# Altium PCB PLD.PcbDoc (part 3 of 4)
Units mm, origin at the board's own origin, x right, y up, seen from the top; angles counter-clockwise.
Board outline 90.25 x 94.44 mm, 6 copper layers (Top, GND, Signal Layer 1, Power, Signal2, Bottom), stack 1.297 mm thick; 370 components, 248 nets, 1284 pads, 698 vias.
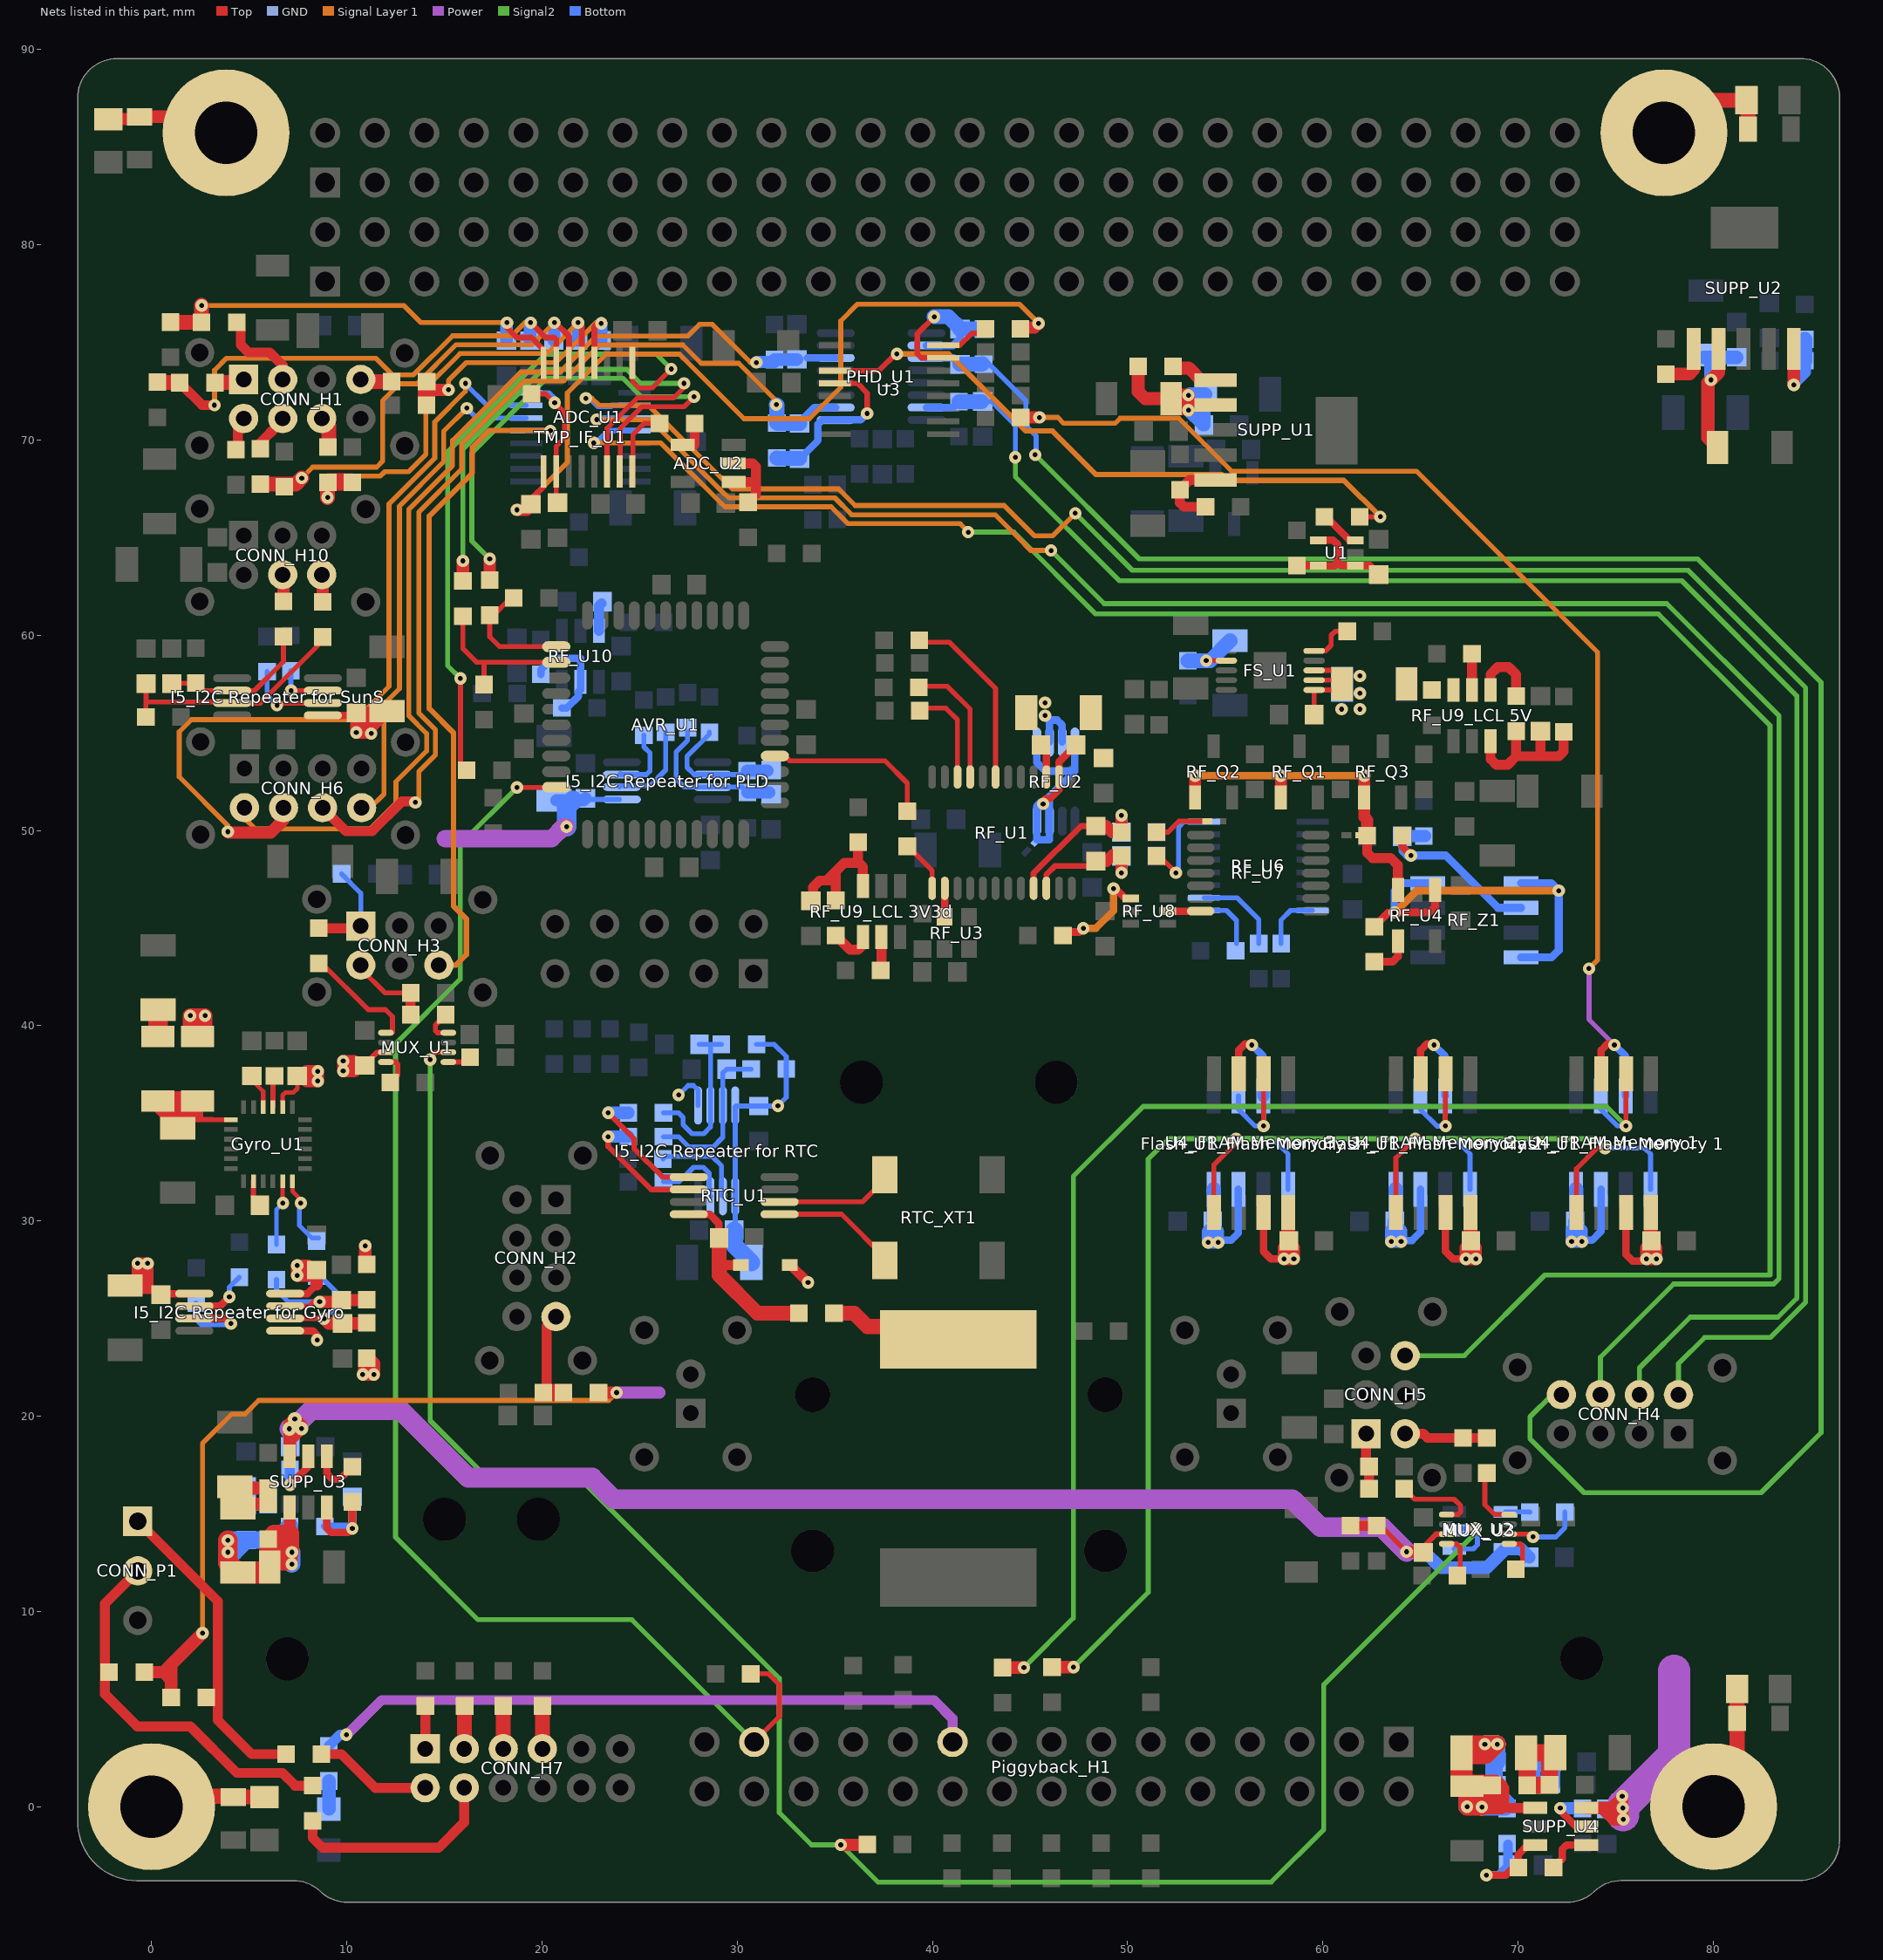
[diagram p7: the nets of this part, all layers, seen from the top]

## Via types
v1: diameter 0.635, hole 0.25, Top to Bottom, 695 vias
v2: diameter 0.7, hole 0.25, Top to Bottom, 3 vias

## Nets (pads, with @x,y where several pads share a name; then routed paths per layer and width w, separated by ;. In a path a pad name is that pad's centre, name@x,y a point inside that pad or via, vN(x,y) a via of type N, cw(c..) or ccw(c..) an arc to the next point about the centre after c; other vN are vias at no path point) (continued)
IN_A: CONN_H6.7 PHD_C1.1 PHD_R3.1 PHD_U1.2 | length 49.9
  Top w0.508: CONN_H6.7@8.756,51.165 9.963,49.958 11.294,49.958 12.823,51.486 13.458,51.486 v1(13.509,51.436)
  Signal Layer 1 w0.254: v1(13.509,51.436) 13.687,51.613 13.687,53.021 14.543,53.878 14.543,55.152 13.687,56.009 13.687,66.31 15.873,68.496 15.873,69.789 19.11,73.026 21.113,73.026 22.955,74.867 27.212,74.867 28.152,73.927 30.071,73.927 32,71.998 v1(32,71.806)
  Bottom w0.381: PHD_C1.1@33.152,70.873 33.941,71.663 PHD_U1.2@35.044,71.663
  Bottom w0.762: v1(32,71.806) 32.029,71.777 PHD_R3.1@32.029,70.873 32.054,70.848 PHD_C1.1@33.193,70.848
IN_B: CONN_H4.8 PHD_C2.1 PHD_R2.1 PHD_U1.11 | length 113.1
  Signal2 w0.254: v1(45.259,69.241) 50.593,63.907 79.193,63.907 85.518,57.582 85.518,19.152 82.444,16.079 73.377,16.079 70.608,18.847 70.608,19.965 71.744,21.101 CONN_H4.8@72.214,21.101
  Bottom w0.254: PHD_R2.1@42.569,73.899 42.886,73.899 44.789,71.997 44.789,70.727 45.31,70.206 45.31,69.292 v1(45.259,69.241)
  Bottom w0.381: PHD_U1.11@39.694,74.203 41.078,74.203 PHD_C2.1@41.406,73.874
  Bottom w0.762: PHD_C2.1@41.406,73.874 42.544,73.874 PHD_R2.1@42.569,73.899
IN_C: CONN_H6.5 PHD_C3.1 PHD_R4.1 PHD_U1.6 | length 52.1
  Signal Layer 1 w0.254: CONN_H6.5@4.756,51.165 4.756,50.638 5.309,50.085 11.203,50.085 12.518,51.4 12.518,52.5 14.086,54.068 14.086,54.962 13.179,55.87 13.179,66.448 15.416,68.685 15.416,69.978 18.921,73.483 20.924,73.483 22.766,75.324 27.466,75.324 28.063,75.921 28.725,75.921 30.681,73.965 v1(30.984,73.965)
  Bottom w0.381: 33.588,74.203 PHD_U1.6@35.044,74.203
  Bottom w0.635: v1@31.009,73.991 31.907,73.991 PHD_R4.1@31.907,74.114 33.039,74.114 PHD_C3.1@33.053,74.128
IN_D: CONN_H4.6 PHD_C4.1 PHD_R1.1 PHD_U1.15 | length 94.3
  Signal2 w0.254: v1(44.243,69.114) 44.243,68.123 49.577,62.789 78.38,62.789 84.273,56.897 84.273,26.036 83.308,25.07 78.812,25.07 76.214,22.472 CONN_H4.6@76.214,21.101
  Bottom w0.254: PHD_C4.1@42.519,71.966 43.042,71.966 44.243,70.765 v1(44.243,69.114)
  Bottom w0.381: PHD_U1.15@39.694,71.663 41.053,71.663 PHD_R1.1@41.356,71.966
  Bottom w0.762: PHD_R1.1@41.356,71.966 PHD_C4.1@42.519,71.966
INT: AVR_U1.10 MCU_R13.1 Piggyback_H1.27 | length 70.9
  Top w0.254: v1(18.716,52.198) 20.714,52.198 AVR_U1.10@20.728,52.212 ; MCU_R13.1@30.69,6.808 31.594,6.808 32.152,6.249 32.152,4.604 Piggyback_H1.27@30.864,3.316
  Signal2 w0.254: v1(18.716,52.198) 15.808,49.289 15.808,42.381 12.493,39.066 12.493,13.804 16.721,9.576 24.604,9.576 Piggyback_H1.27@30.864,3.316
JFET_CURRENT: RF_J3.1 RF_Q1.1 RF_Q2.1 RF_Q3.1 RF_R5.2 RF_U4.3 | length 18
  Top w0.508: RF_R5.2@62.266,49.734 62.266,48.856 62.531,48.591 63.471,48.591 63.842,48.219 RF_U4.3@63.842,46.947
  Top w0.61: RF_Q2.1@53.453,51.689 v1(53.453,52.807) ; RF_Q1.1@57.847,51.689 v1(57.847,52.807) ; v1(62.114,52.807) RF_Q3.1@62.114,51.689 62.114,50.684 62.266,50.532 RF_R5.2@62.266,49.734
  Signal Layer 1 w0.381: v1(53.453,52.807) v1(57.847,52.807) v1(62.114,52.807)
LMT87_SUPPLY: TMP_LMT_R2.2 U3.11 | length 32.8
  Top w0.279: U3.11@35,73.55 37.258,73.55 38.146,74.439 v1(38.181,74.404) ; TMP_LMT_R2.2@61.881,66.066 v1(62.937,66.066)
  Signal Layer 1 w0.279: v1(38.181,74.404) 40.832,74.404 44.776,70.46 46.148,70.46 48.383,68.225 54.829,68.225 55.121,67.933 61.07,67.933 v1(62.937,66.066)
MISO: ADC_R2.2 AVR_U1.1 MCU_R2.2 | length 6
  Top w0.254: MCU_R2.2@18.284,61.799 17.511,61.026 ADC_R2.2@17.319,61.026 17.319,59.92 17.827,59.412 AVR_U1.1@20.728,59.412
MISO_R: "Flash_U1_Flash Memory 1.2" "Flash_U1_Flash Memory 2.2" "Flash_U1_Flash Memory 3.2" "U4_FRAM Memory 1.2" "U4_FRAM Memory 2.2" "U4_FRAM Memory 3.2" MEM_R1.2 | length 73.2
  Top w0.254: v1(56.958,34.862) 56.958,37.54 ; v1(66.28,34.86) 66.28,37.537 ; v1(75.525,34.862) 75.525,37.54
  Top w0.635: MEM_R1.2@43.582,7.124 v1(44.686,7.124)
  Signal2 w0.254: v1(44.686,7.124) 47.215,9.653 47.215,32.286 50.792,35.863 56.998,35.863 ; v1(56.958,34.862) 56.958,35.823 56.998,35.863 ; v1(66.28,34.86) 66.28,35.852 66.269,35.863 ; v1(75.525,34.862) 74.524,35.863 66.269,35.863 ; 56.998,35.863 66.269,35.863
  Bottom w0.254: 55.673,36.404 55.673,35.715 56.526,34.862 v1(56.958,34.862) ; 64.995,35.713 65.848,34.86 v1(66.28,34.86) ; 74.24,35.715 75.093,34.862 v1(75.525,34.862)
MOSI: ADC_R1.2 AVR_U1.2 MCU_R3.2 | length 7.9
  Top w0.254: ADC_R1.2@15.947,60.975 15.947,59.31 16.645,58.612 17.065,58.612 ; MCU_R3.2@17.027,57.474 17.027,58.574 17.065,58.612 ; AVR_U1.2@20.728,58.612 17.065,58.612
MOSI_R: "Flash_U1_Flash Memory 1.5" "Flash_U1_Flash Memory 2.5" "Flash_U1_Flash Memory 3.5" "U4_FRAM Memory 1.5" "U4_FRAM Memory 2.5" "U4_FRAM Memory 3.5" MEM_R2.2 | length 79.4
  Top w0.254: 54.418,30.428 54.418,32.877 55.601,34.06 v1@55.55,34.06 ; 63.739,30.428 63.739,33.233 v1(64.719,34.212) ; 72.985,30.428 72.985,32.674 74.041,33.73 v1(74.447,33.73)
  Top w0.635: MEM_R2.2@46.122,7.149 v1(47.226,7.149)
  Signal2 w0.254: v1(47.226,7.149) 51.05,10.973 51.05,33.171 ; 51.054,33.171 52.095,34.212 v1(55.55,34.212) v1(64.719,34.212) 73.965,34.212 v1(74.447,33.73)
  Bottom w0.254: v1@55.55,34.06 55.702,34.212 57.429,34.212 58.213,33.428 58.213,31.621 ; v1(64.719,34.212) 66.752,34.212 67.535,33.428 67.535,31.621 ; v1(74.447,33.73) 76.479,33.73 76.781,33.428 76.781,31.621 ; 76.831,30.963 76.911,31.043
MSCK: AVR_U1.26 RF_R1.1 | length 8.8
  Top w0.254: AVR_U1.26@31.928,53.812 32.434,53.812 32.676,53.569 37.563,53.569 38.706,52.426 RF_R1.1@38.706,50.989
NetADC_C1_1: ADC_C1.1 ADC_U1.4 SunSref_R1.2 SunSref_R2.2 | length 15.2
  Top w0.305: ADC_U1.4@22.679,73.939 22.679,75.797 22.854,75.972 v1(23.034,75.972)
  Top w0.635: 13.991,72.391 14.089,72.488 14.169,72.568 v1(15.211,72.568)
  Top w0.889: SunSref_R2.2@14.089,71.817 14.089,72.488 SunSref_R1.2@14.089,72.985
  Signal Layer 1 w0.254: v1(15.211,72.568) 15.211,73.051 16.125,73.965 20.716,73.965 22.761,76.01 22.799,75.972 v1(23.034,75.972)
  Bottom w0.635: ADC_C1.1@23.031,75.094 23.031,75.969 v1(23.034,75.972)
NetADC_C2_1: ADC_C2.1 ADC_U1.5 SunSref_R9.2 SunSref_R10.2 | length 23.8
  Top w0.305: v1(21.843,76.008) 22.029,75.822 ADC_U1.5@22.029,73.939
  Top w0.762: v1(9.013,67.057) 9.013,67.782 SunSref_R9.2@9.074,67.843
  Top w0.889: SunSref_R9.2@9.074,67.843 SunSref_R10.2@10.217,67.843
  Signal Layer 1 w0.254: v1(9.013,67.057) 9.013,67.361 9.8,68.149 11.717,68.149 11.946,68.377 13.168,68.377 14.044,69.254 14.044,72.672 15.795,74.423 20.258,74.423 v1(21.843,76.008)
  Bottom w0.635: ADC_C2.1@21.818,75.088 21.843,75.113 v1(21.843,76.008)
NetADC_C3_1: ADC_C3.1 ADC_U1.6 SunSref_R3.2 SunSref_R4.2 | length 23.6
  Top w0.305: v1(20.63,76.008) 20.676,76.008 21.379,75.306 ADC_U1.6@21.379,73.939
  Top w0.762: SunSref_R3.2@5.569,67.742 7.387,67.742 v1(7.692,68.047)
  Signal Layer 1 w0.254: v1(7.692,68.047) 8.251,68.606 11.528,68.606 11.83,68.909 11.83,72.007 12.696,72.873 13.599,72.873 15.605,74.88 19.501,74.88 v1(20.63,76.008)
  Bottom w0.635: ADC_C3.1@20.604,75.088 20.63,75.113 v1(20.63,76.008)
NetADC_C4_1: ADC_C4.1 ADC_U1.7 SunSref_R7.2 SunSref_R8.2 | length 27
  Top w0.305: v1(19.416,76.008) 20.178,75.246 20.612,75.246 20.729,75.13 ADC_U1.7@20.729,73.939
  Top w0.508: SunSref_R7.2@1.443,72.934 2.596,71.781 v1(3.222,71.781)
  Top w0.762: SunSref_R8.2@0.246,72.934 SunSref_R7.2@1.443,72.934
  Signal Layer 1 w0.254: v1(3.222,71.781) 3.222,73.576 3.827,74.181 11.49,74.181 12.34,73.33 13.409,73.33 15.416,75.337 18.448,75.337 19.119,76.008 v1(19.416,76.008)
  Bottom w0.635: ADC_C4.1@19.391,75.088 19.391,75.983 v1(19.416,76.008)
NetADC_C6_1: ADC_C6.1 ADC_U1.8 SunSref_R5.2 SunSref_R6.2 | length 22.3
  Top w0.305: v1(18.203,76.008) 18.203,75.739 18.695,75.246 19.46,75.246 20.079,74.627 ADC_U1.8@20.079,73.939
  Top w0.762: SunSref_R6.2@1.338,76.033 SunSref_R5.2@2.561,76.033 v1(2.561,76.886)
  Signal Layer 1 w0.254: v1(2.561,76.886) 12.925,76.886 13.803,76.008 v1(18.203,76.008)
  Bottom w0.635: ADC_C6.1@18.177,75.088 18.177,75.983 v1(18.203,76.008)
NetADC_C7_1: ADC_C7.1 ADC_MUX_R1.2 ADC_U1.9 | length 42.1
  Top w0.305: ADC_C7.1@19.605,67.133 20.079,67.607 ADC_U1.9@20.079,68.389
  Top w0.635: v1(18.716,66.422) 19.213,66.422 ADC_C7.1@19.579,66.788 ; ADC_MUX_R1.2@44.517,75.623 44.517,75.754 45.219,75.754 v1(45.437,75.972)
  Signal Layer 1 w0.254: v1(18.716,66.422) 18.716,66.269 21.294,68.847 21.294,72.403 23.288,74.397 27.035,74.397 30.342,71.091 33.697,71.091 35.302,72.695 35.302,76.099 36.16,76.957 44.452,76.957 v1(45.437,75.972)
NetADC_C8_1: ADC_C8.1 ADC_U1.10 TMP_IF_U1.8 TMPI_R1.1 | length 8.8
  Top w0.254: TMPI_R1.1@19.463,72.365 20.189,72.365 v1(20.646,71.908) 21.154,71.4 21.154,70.105 20.729,69.679 ADC_U1.10@20.729,68.389 ADC_C8.1@20.729,66.658
  Bottom w0.254: TMP_IF_U1.8@19.189,72.424 20.349,72.424 20.646,72.127 v1(20.646,71.908)
NetADC_J2_2: ADC_J2.2 RF_C1.2 RF_C3.2 RF_C4.2 RF_U1.14 RF_U2.3 RF_U2.4 RF_U2.5 RF_U2.8 | length 15.2
  Top w0.381: v1(45.665,51.359) 45.792,51.486 45.792,51.613 45.995,51.613 46.482,52.1 RF_U1.14@46.482,52.736 46.482,53.507 RF_C3.2@47.357,54.382
  Bottom w0.381: RF_U2.5@45.345,54.527 45.345,53.484 45.789,53.04 47.295,53.04 ; v1@45.564,51.471 45.345,51.252 RF_U2.4@45.345,50.477 45.345,49.53 45.995,49.53 RF_U2.3@45.995,50.477 45.995,51.589 ; 45.919,51.664 47.295,53.04 ; RF_U2.8@47.295,54.527 47.295,53.04
NetADC_MUX_R1_1: ADC_MUX_R1.1 U3.8 | length 2.5
  Top w0.279: U3.8@40.55,74.85 41.397,74.85 42.01,75.463 42.557,75.463 ADC_MUX_R1.1@42.717,75.623
NetADC_R1_1: ADC_R1.1 ADC_U1.14 | length 27.3
  Top w0.254: ADC_U1.14@23.329,68.389 23.329,70.603 24.888,72.162 26.742,72.162 27.276,72.695 v1(27.276,72.899)
  Top w0.635: ADC_R1.1@15.947,62.775 v1(15.947,63.805)
  Signal2 w0.254: v1(15.947,63.805) 15.947,69.52 20.037,73.61 24.341,73.61 25.052,72.899 v1(27.276,72.899)
NetADC_R2_1: ADC_R2.1 ADC_U1.15 | length 26.9
  Top w0.254: ADC_U1.15@23.979,68.389 24.012,68.421 24.012,70.6 25.117,71.705 27.276,71.705 v1(27.784,72.213)
  Top w0.635: ADC_R2.1@17.319,62.826 v1(17.319,63.907)
  Signal2 w0.254: v1(17.319,63.907) 16.404,64.821 16.404,69.331 20.226,73.153 24.151,73.153 25.091,72.213 v1(27.784,72.213)
NetADC_R3_1: ADC_R3.1 ADC_U1.1 | length 34
  Top w0.254: v1(15.82,57.786) 15.82,53.406 ADC_R3.1@16.139,53.087 ; ADC_U1.1@24.629,73.939 24.629,72.989 24.948,72.67 25.65,72.67 v1(26.615,73.635)
  Signal2 w0.254: v1(15.82,57.786) 15.16,58.446 15.16,69.38 20.177,74.397 25.853,74.397 v1(26.615,73.635)
NetADC_R4_1: ADC_R4.1 ADC_U1.16 | length 3.5
  Top w0.254: ADC_U1.16@24.629,68.389 24.651,68.411 24.651,70.275 25.218,70.841 ADC_R4.1@26.02,70.841
NetADC_R4_2: ADC_R4.2 ADC_U2.4 | length 1.7
  Top w0.508: ADC_U2.4@27.202,69.751 27.811,69.751 27.82,69.76 ADC_R4.2@27.82,70.841
NetADC_R6_1: ADC_R6.1 ADC_U2.1 ADC_U2.2 | length 4.3
  Top w0.508: ADC_U2.1@29.822,67.851 30.941,67.851 30.959,67.869 ; ADC_U2.2@29.822,68.801 30.789,68.801 30.959,68.631 30.959,67.869 ; ADC_R6.1@30.552,66.814 30.959,67.22 30.959,67.869
NetAP_R1_1: AP_R1.1 AP_R3.2 CONN_P1.1 | length 16.7
  Top w0.508: CONN_P1.1@-0.292,15.037 CONN_P1.1@-0.709,14.62 3.387,10.524 3.387,4.433 5.127,2.693 AP_R3.2@6.894,2.693
NetAP_R2_1: AP_R2.1 AP_R4.2 CONN_P1.2 | length 19.6
  Top w0.508: CONN_P1.2@-0.709,12.08 -2.392,10.397 -2.392,5.766 -0.734,4.109 1.984,4.109 4.365,1.728 6.702,1.728 7.351,1.078 AP_R4.2@8.251,1.078
NetAP_R3_1: AP_R3.1 CONN_H7.7 | length 6
  Top w0.508: AP_R3.1@8.694,2.693 9.724,2.693 11.45,0.967 CONN_H7.7@14.014,0.967
NetAP_R4_1: AP_R4.1 CONN_H7.8 | length 11.2
  Top w0.508: AP_R4.1@8.251,-0.722 8.251,-1.6 8.759,-2.108 14.707,-2.108 16.014,-0.801 CONN_H7.8@16.014,0.967
NetAP_R5_1: AP_R5.1 CONN_H7.4 | length 2.2
  Top w0.762: CONN_H7.4@20.014,2.967 20.021,2.974 AP_R5.1@20.021,5.156
NetAP_R6_1: AP_R6.1 CONN_H7.3 | length 2.2
  Top w0.762: CONN_H7.3@18.014,2.967 AP_R6.1@18.015,5.156
NetAP_R7_1: AP_R7.1 CONN_H7.2 | length 2.2
  Top w0.762: CONN_H7.2@16.014,2.967 16.034,2.987 AP_R7.1@16.034,5.156
NetAP_R8_1: AP_R8.1 CONN_H7.1 | length 2.2
  Top w0.508: CONN_H7.1@14.014,2.967 14.027,2.98 AP_R8.1@14.027,5.156
NetCONN_C1_2: CONN_C1.2 CONN_R1.2 MNT1.1 | length 6.4
  Top w0.635: CONN_C1.2@-2.222,86.429 -0.749,86.429 CONN_R1.2@-0.624,86.554 2.986,86.554 MNT1.1@3.81,85.73
NetCONN_C2_2: CONN_C2.2 CONN_R2.2 MNT2.1 | length 6.4
  Top w0.762: MNT2.1@77.472,85.737 79.122,87.387 CONN_C2.2@81.702,87.387
  Top w0.8: CONN_C2.2@81.7,87.402 81.776,87.326 CONN_R2.2@81.776,85.929
NetCONN_C3_1: CONN_C3.1 CONN_R3.1 MNT3.1 | length 8.1
  Top w0.762: MNT3.1@0,0 0.534,0.534 CONN_R3.1@4.24,0.534 ; MNT3.1@0.142,-0.142 MNT3.1@1.65,-1.65 ; CONN_R3.1@4.101,0.501 5.599,0.501 CONN_C3.1@5.609,0.491
NetCONN_C4_1: CONN_C4.1 CONN_R4.1 MNT4.1 | length 5.7
  Top w0.762: MNT4.1@80.012,0.007 81.217,1.212 CONN_R4.1@81.217,4.522 81.217,5.233
NetCONN_H1_1: CONN_H1.1 SunSref_R7.1 | length 1.5
  Top w0.762: SunSref_R7.1@3.243,72.934 4.547,72.934 CONN_H1.1@4.714,73.101
NetCONN_H1_2: CONN_H1.2 SunSref_R5.1 | length 4.3
  Top w0.508: SunSref_R5.1@4.564,75.906 4.564,74.879 4.959,74.484 6.051,74.484 6.714,73.821 CONN_H1.2@6.714,73.101
NetCONN_H1_4: CONN_H1.4 SunSref_R1.1 | length 1.6
  Top w0.762: CONN_H1.4@10.714,73.101 10.83,72.985 SunSref_R1.1@12.289,72.985
NetCONN_H1_5: CONN_H1.5 CONN_R5.2 | length 1.7
  Top w0.508: CONN_R5.2@4.426,69.542 4.426,70.813 CONN_H1.5@4.714,71.101
NetCONN_H1_6: CONN_H1.6 SunSref_R3.1 | length 2.1
  Top w0.508: SunSref_R3.1@5.569,69.542 5.569,69.861 6.473,70.765 6.473,70.892 6.682,71.101 CONN_H1.6@6.714,71.101
NetCONN_H1_7: CONN_H1.7 SunSref_R9.1 | length 1.6
  Top w0.762: CONN_H1.7@8.714,71.101 9.074,70.741 SunSref_R9.1@9.074,69.643
NetCONN_H2_4: CONN_H2.4 LI_R1.1 LI_R2.2 | length 4.7
  Top w0.508: LI_R1.1@20.24,21.58 20.24,24.627 CONN_H2.4@20.714,25.101
  Top w0.889: LI_R1.1@20.073,21.21 LI_R2.2@21.092,21.21
NetCONN_H3_1: CONN_H3.1 MUX_R1.1 MUX_R4.2 | length 5.3
  Top w0.508: MUX_R4.2@8.556,44.995 10.608,44.995 CONN_H3.1@10.714,45.101
  Bottom w0.254: MUX_R1.1@9.739,47.778 9.739,47.764 10.714,46.788 CONN_H3.1@10.714,45.101
NetCONN_H3_4: CONN_H3.4 MUX_R2.1 MUX_R3.2 | length 4.4
  Top w0.254: CONN_H3.4@10.714,43.101 10.714,42.927 11.959,41.682 MUX_R2.1@13.269,41.682
  Top w0.508: MUX_R3.2@13.269,40.564 MUX_R2.1@13.269,41.682
NetCONN_H3_6: CONN_H3.6 TMP_IF_U1.5 | length 35.5
  Signal Layer 1 w0.279: CONN_H3.6@14.714,43.101 15.588,43.101 16.125,43.638 16.125,45.467 15.465,46.127 15.465,54.992 14.22,56.236 14.22,66.091 16.43,68.301 16.43,69.622 17.293,70.486 20.408,70.486 v1(20.424,70.469) 19.868,70.469
  Bottom w0.279: TMP_IF_U1.5@19.189,70.474 20.419,70.474 v1(20.424,70.469)
NetCONN_H4_5: CONN_H4.5 TMP_IF_U1.10 | length 113.1
  Signal2 w0.254: v1(47.316,66.244) 50.237,63.323 78.711,63.323 84.73,57.303 84.73,25.846 82.913,24.029 79.549,24.029 78.214,22.694 CONN_H4.5@78.214,21.101
  Signal Layer 1 w0.254: v1(22.246,72.137) 22.55,72.137 22.918,71.768 25.457,71.768 29.534,67.692 29.548,67.692 29.752,67.488 35.189,67.488 36.033,66.644 43.664,66.644 45.221,65.088 46.161,65.088 v1(47.316,66.244)
  Bottom w0.305: v1(22.246,72.137) 22.45,72.137 22.856,71.73 23.542,71.73 23.586,71.774 TMP_IF_U1.10@24.739,71.774
NetCONN_H4_7: CONN_H4.7 TMP_IF_U1.11 | length 110.4
  Signal2 w0.254: v1(46.072,64.339) 48.789,61.621 77.609,61.621 83.359,55.871 83.359,27.04 83.091,26.772 77.962,26.772 74.214,23.024 CONN_H4.7@74.214,21.101
  Signal Layer 1 w0.254: v1(22.805,71.044) 25.535,71.044 29.37,67.209 29.384,67.209 29.562,67.031 35,67.031 35.863,66.168 43.215,66.168 44.752,64.631 44.752,64.617 45.03,64.339 v1(46.072,64.339)
  Bottom w0.279: v1(22.805,71.044) 22.885,71.124 TMP_IF_U1.11@24.739,71.124
NetCONN_H5_1: CONN_H5.1 MUX_R7.2 MUX_R10.1 | length 3
  Top w0.508: CONN_H5.1@62.214,19.101 62.214,17.778 62.505,17.487 62.367,17.349 MUX_R10.1@62.367,16.282
NetCONN_H5_4: CONN_H5.4 MUX_R8.2 MUX_R9.1 | length 4.2
  Top w0.508: CONN_H5.4@64.214,19.101 65.147,19.101 65.365,18.884 MUX_R8.2@67.179,18.884 MUX_R9.1@68.297,18.884
NetCONN_H5_6: CONN_H5.6 TMP_IF_U1.12 | length 117.2
  Signal2 w0.254: v1(41.83,65.279) 44.167,65.279 48.358,61.088 77.187,61.088 82.902,55.373 82.902,27.229 71.37,27.229 67.242,23.101 CONN_H5.6@64.214,23.101
  Signal Layer 1 w0.254: v1(22.653,69.851) 26.082,69.851 29.181,66.752 29.195,66.752 29.373,66.574 34.81,66.574 35.674,65.71 41.423,65.71 v1@41.843,65.291
  Signal Layer 1 w0.279: v1@22.611,69.809 v1(22.653,69.851)
  Bottom w0.279: v1(22.653,69.851) 22.754,69.851 23.378,70.474 TMP_IF_U1.12@24.739,70.474
NetCONN_H6_6: CONN_H6.6 TMP_IF_U1.7 | length 42.3
  Top w0.635: v1(3.908,49.937) 3.95,49.894 6.1,49.894 6.756,50.55 CONN_H6.6@6.756,51.165
  Signal Layer 1 w0.254: v1(3.908,49.937) 3.908,50.254 1.418,52.743 1.418,55.056 2.04,55.677 10.461,55.677 12.163,57.379 12.163,66.725 14.501,69.064 14.501,70.919 16.074,72.492 v1(16.074,72.899)
  Bottom w0.254: v1@16.074,72.873 17.173,71.774 TMP_IF_U1.7@19.189,71.774
NetCONN_H6_8: CONN_H6.8 TMP_IF_U1.6 | length 26.2
  Signal Layer 1 w0.254: CONN_H6.8@10.756,51.165 11.206,51.165 11.909,51.867 11.909,56.476 12.696,57.264 12.696,66.612 14.959,68.875 14.959,70.437 v1(16.15,71.629)
  Bottom w0.254: v1(16.15,71.629) 16.655,71.124 TMP_IF_U1.6@19.189,71.124
NetCONN_H10_5: "I6_I2C Repeater for SunS.1" CONN_H10.5 | length 1.8
  Top w0.254: 6.586,61.443 6.586,61.734 ; CONN_H10.5@6.586,62.973 CONN_H10.5@6.714,63.101
  Top w0.635: CONN_H10.5@6.586,62.973 6.752,62.806 6.752,61.734
NetCONN_H10_6: "I3_I2C Repeater for SunS.1" CONN_H10.6 | length 1.4
  Top w0.635: CONN_H10.6@8.714,63.101 8.759,63.056 8.759,61.708
NetFS_U1_1: FS_U1.1 FS_U1.2 FS_U1.3 RF_C12.1 RF_C13.1 RF_FB1.1 | length 5.9
  Top w0.254: RF_C13.1@59.551,55.931 FS_U1.1@59.551,57.197 60.68,57.197 RF_FB1.1@60.982,57.5 ; FS_U1.2@59.551,57.697 60.563,57.697 60.969,58.103 60.875,58.197 FS_U1.3@59.551,58.197
  other v1: 60.956,56.211 61.896,56.211 61.896,57.024 61.896,57.913
NetFS_U1_5: FS_U1.5 RF_R12.2 | length 2.4
  Top w0.254: FS_U1.5@59.551,59.197 60.132,59.197 60.423,59.487 60.423,59.995 60.626,60.199 RF_R12.2@61.25,60.199
NetFS_U1_7: FS_U1.7 RF_C16.1 RF_R11.2 | length 3.6
  Top w0.254: v1(54.022,58.697) FS_U1.7@55.051,58.697
  Bottom w0.762: RF_R11.2@53.082,58.697 v1(54.022,58.697) 54.223,58.697 RF_C16.1@55.241,59.715
NetGyro_C1_1: Gyro_C1.1 Gyro_R1.1 | length 1.4
  Top w1.016: Gyro_R1.1@0.326,39.446 Gyro_C1.1@0.326,40.819
NetGyro_C2_1: Gyro_C2.1 Gyro_FB1.2 Gyro_R1.2 Gyro_U1.13 | length 12.7
  Top w0.254: Gyro_C2.1@0.694,35.19 1.282,35.19 1.403,35.19 2.511,35.19 ; Gyro_U1.13@4.065,35.185 3.1,35.185 3.095,35.19 2.511,35.19 ; 2.511,35.19 2.358,35.343 Gyro_FB1.2@2.358,36.146 2.511,35.993 2.511,35.19
  Top w0.635: Gyro_R1.2@0.326,36.146 Gyro_FB1.2@2.358,36.146
  Top w1.016: Gyro_C2.1@1.342,34.747 Gyro_C2.1@1.342,35.13 ; Gyro_C2.1@1.342,35.13 1.282,35.19 Gyro_R1.2@0.326,36.146 Gyro_FB1.2@2.358,36.146 1.403,35.19 Gyro_C2.1@1.342,35.13
NetGyro_C4_1: Gyro_C4.1 Gyro_U1.20 | length 1.4
  Top w0.254: Gyro_U1.20@5.215,32.035 5.215,31.165 Gyro_C4.1@5.57,30.811
NetGyro_C5_1: Gyro_C5.1 Gyro_U1.10 | length 1.9
  Top w0.229: Gyro_C5.1@5.025,37.429 5.025,37.325 5.715,36.635 Gyro_U1.10@5.715,35.835
NetGyro_R2_1: Gyro_R2.1 Gyro_U1.9 | length 1.6
  Top w0.254: Gyro_R2.1@6.194,37.429 6.215,37.408 Gyro_U1.9@6.215,35.835
NetGyro_U1_23: "I3_I2C Repeater for Gyro.1" Gyro_U1.23 | length 3.4
  Top w0.229: Gyro_U1.23@6.715,32.035 6.715,30.924 v1(6.727,30.912)
  Bottom w0.229: 6.397,28.79 6.397,30.582 v1(6.727,30.912)
NetGyro_U1_24: "I6_I2C Repeater for Gyro.1" Gyro_U1.24 | length 3.7
  Top w0.229: Gyro_U1.24@7.215,32.035 7.215,31.517 7.641,31.09 v1(7.641,30.912)
  Bottom w0.229: v1(7.641,30.912) 7.567,30.838 7.567,29.767 8.209,29.125 8.556,29.125
"NetI1_I2C Repeater for Gyro_2": "I1_I2C Repeater for Gyro.2" "I5_I2C Repeater for Gyro.6" "I6_I2C Repeater for Gyro.2" "I8_I2C Repeater for Gyro.1" | length 7.3
  Top w0.254: 6.842,25.007 8.823,25.007 v1(8.835,24.994)
  Top w0.635: v1(8.835,24.994) 9.078,24.751 9.775,24.751 10.994,24.751 11.02,24.777
  GND w0.254: v1@8.759,24.994 v1(8.835,24.994)
  Bottom w0.254: 8.556,27.255 9.521,26.29 9.521,25.68 v1(8.835,24.994)
"NetI1_I2C Repeater for PLD_2": "I1_I2C Repeater for PLD.2" "I5_I2C Repeater for PLD.6" "I6_I2C Repeater for PLD.2" "I8_I2C Repeater for PLD.1" | length 6.6
  Bottom w0.254: 28.571,55.031 28.571,54.941 27.428,53.798 27.428,53.226 27.796,52.858 28.737,52.858 30.297,52.858 30.501,53.063
  Bottom w0.635: 30.501,53.063 31.546,53.063
"NetI1_I2C Repeater for RTC_2": "I1_I2C Repeater for RTC.2" "I5_I2C Repeater for RTC.6" "I6_I2C Repeater for RTC.2" "I8_I2C Repeater for RTC.1" | length 8.6
  Bottom w0.254: 26.22,35.535 26.996,35.535 27.225,35.307 27.225,34.926 27.682,34.468 28.284,34.468 28.628,34.812 28.628,35.912 28.628,39.009 28.589,39.048 ; 28.067,39.048 28.589,39.048 ; 29.188,39.048 28.589,39.048